# Allegro board 038RT-9068CJK8E-A100_0921.brd (continued)
## Routing (per net, layer and track width the routed paths; a pad name or vN(x,y) marks a point on that pad's centre or on a via; arc(x,y) is an arc through that point) (continued)
  BOTTOM w0.105: v2(18.46,325.96) 18.61,325.81 21.07,325.81 UNK2U17.39
S2_U4PI_P1_MDI-: length 140.7
  L13_SIGNAL w0.1: v2(18.46,325.2) 18.66,325.4 20.86,325.4 21.44,325.98 21.44,335.69 21.64,335.9 27.79,335.9 28.6,335.09 28.6,319.52 29.36,318.76 33.05,318.76 33.67,319.39 33.67,336.43 33.77,336.53 34.93,336.53 35.21,336.25 35.21,319.57 35.66,319.12 38.13,319.12 38.66,319.65 38.66,336.79 35.73,339.72 14.7,339.72 13.32,338.34 13.32,334.39 10.58,331.65 6.9,331.65 6.8,331.75 UNK2MQS1.11
  BOTTOM w0.105: v2(18.46,325.2) 18.61,325.35 21.07,325.35 UNK2U17.38
S2_U4PI_P5_MDI+: length 172.6
  L11_SIGNAL w0.1: UNK2MQS1.3 4.26,336.27 4.16,336.37 2.47,336.37 2.22,336.12 2.22,328.94 2.78,328.38 9.6,328.38 10.31,327.68 10.31,320.15 12.01,318.45 12.01,316.21 12.84,315.38 37.13,315.38 38.25,314.26 38.25,312.37 37.26,311.38 12.45,311.38 12.22,311.15 12.22,309.35 12.55,309.02 41.11,309.02 41.46,309.37 41.46,315.73 40.49,316.7 18.25,316.7 16.94,318.01 16.94,322.03 15.43,323.54 15.43,326.97 13.37,329.03 13.37,330.02 14.11,330.76 14.94,330.76 15.12,330.94 15.12,331.09 15.29,331.27 15.54,331.27 15.72,331.09 15.72,330.94 15.89,330.76 16.14,330.76 16.32,330.94 16.32,331.09 16.5,331.27 16.74,331.27 16.92,331.09 16.92,330.94 17.1,330.76 18.26,330.76 v2(18.46,330.96)
  BOTTOM w0.105: UNK2U17.49 21.07,330.81 18.61,330.81 v2(18.46,330.96)
S2_U4PI_P5_MDI-: length 172.6
  L11_SIGNAL w0.1: v2(18.46,330.2) 18.26,330.4 14.26,330.4 13.73,329.87 13.73,329.18 15.79,327.12 15.79,323.69 17.31,322.18 17.31,318.16 18.4,317.07 40.64,317.07 41.83,315.88 41.83,309.22 41.27,308.66 12.4,308.66 11.86,309.2 11.86,311.3 12.3,311.74 37.11,311.74 37.88,312.52 37.88,314.11 36.98,315.02 12.69,315.02 11.64,316.06 11.64,318.3 9.94,320 9.94,327.53 9.45,328.02 2.63,328.02 1.86,328.79 1.86,336.27 2.32,336.73 4.16,336.73 4.26,336.83 UNK2MQS1.4
  BOTTOM w0.105: UNK2U17.48 21.07,330.35 18.61,330.35 v2(18.46,330.2)
S2_U4PI_P6_MDI+: length 132.9
  L11_SIGNAL w0.1: v2(18.46,333.96) 18.66,333.76 20.82,333.76 21.43,333.15 21.43,323.23 19.31,321.11 19.31,319.86 19.6,319.57 25.37,319.57 25.74,319.94 25.74,324.21 26.28,324.75 28.53,324.75 29.05,324.23 29.05,320.24 29.73,319.57 32.49,319.57 32.76,319.84 32.76,324.71 33.19,325.13 34.22,325.13 34.64,324.72 34.64,319.8 34.87,319.57 35.77,319.57 36.11,319.91 36.11,339.1 35.91,339.3 25.51,339.3 25.21,339 25.21,336.23 24.65,335.67 21.84,335.67 21.2,336.3 21.2,339.08 20.99,339.3 16.71,339.3 16.31,338.9 16.31,332.86 15.89,332.44 9.75,332.44 9.19,333 9.19,334.02 9.61,334.44 13.76,334.44 14.04,334.71 14.04,336.17 13.84,336.37 11.51,336.37 11.34,336.19 11.34,336.04 11.16,335.86 10.91,335.86 10.74,336.04 10.74,336.19 10.56,336.37 10.31,336.37 10.13,336.19 10.13,336.04 9.96,335.86 9.71,335.86 9.53,336.04 9.53,336.19 9.36,336.37 6.9,336.37 6.8,336.27 UNK2MQS1.12
  BOTTOM w0.105: v2(18.46,333.96) 18.61,333.81 21.07,333.81 UNK2U17.55
S2_U4PI_P6_MDI-: length 132.9
  L11_SIGNAL w0.1: UNK2MQS1.13 6.8,336.83 6.9,336.73 13.99,336.73 14.4,336.32 14.4,334.56 13.91,334.07 9.76,334.07 9.55,333.87 9.55,333.15 9.9,332.8 15.74,332.8 15.95,333.01 15.95,339.05 16.56,339.66 21.14,339.66 21.56,339.24 21.56,336.45 21.99,336.03 24.5,336.03 24.85,336.38 24.85,339.15 25.36,339.67 36.06,339.67 36.47,339.25 36.47,319.76 35.92,319.2 34.72,319.2 34.27,319.65 34.27,324.57 34.07,324.77 33.34,324.77 33.13,324.55 33.13,319.69 32.64,319.2 29.58,319.2 28.69,320.09 28.69,324.08 28.38,324.38 26.43,324.38 26.11,324.06 26.11,319.79 25.52,319.2 19.45,319.2 18.95,319.71 18.95,321.26 21.07,323.38 21.07,333 20.66,333.4 18.66,333.4 v2(18.46,333.2)
  BOTTOM w0.105: UNK2U17.54 21.07,333.35 18.61,333.35 v2(18.46,333.2)
S2_U4PILB_P0_MDI+: length 223.3
  L15_SIGNAL w0.1: v2(23.71,327.96) 23.51,327.76 21.8,327.76 20.6,328.96 20.6,334.16 21.11,334.66 21.11,337.96 23.81,340.66 31.18,340.66 33.45,338.39 33.45,324.48 34.58,323.35 36.35,323.35 36.94,323.94 36.94,357.34 37.22,357.62 39.05,357.62 39.21,357.46 39.21,323.73 39.6,323.35 41.36,323.35 41.9,323.89 41.9,365.52 40.7,366.72 34.39,366.72 33.33,365.66 33.33,344.45 32.63,343.76 22.49,343.76 21.11,345.15 21.11,352.02 22.02,352.93 24.77,352.93 25.23,353.39 25.23,354.43 24.85,354.81 23.91,354.81 v2(23.71,355.01)
  BOTTOM w0.105: UNK2U17.43 21.1,327.81 23.56,327.81 v2(23.71,327.96) ; UNK2U18.59 21.1,354.86 23.56,354.86 v2(23.71,355.01)
S2_U4PILB_P0_MDI-: length 223.3
  L15_SIGNAL w0.1: v2(23.71,327.2) 23.51,327.4 21.65,327.4 20.24,328.81 20.24,334.31 20.74,334.81 20.74,338.11 23.66,341.03 31.33,341.03 33.81,338.54 33.81,324.63 34.73,323.71 36.2,323.71 36.58,324.09 36.58,357.49 37.07,357.98 39.2,357.98 39.58,357.61 39.58,323.88 39.75,323.71 41.21,323.71 41.54,324.04 41.54,365.37 40.54,366.36 34.54,366.36 33.69,365.51 33.69,344.3 32.79,343.4 22.34,343.4 20.74,345 20.74,352.17 21.87,353.29 24.62,353.29 24.87,353.54 24.87,354.28 24.7,354.45 23.91,354.45 v2(23.71,354.25)
  BOTTOM w0.105: UNK2U17.42 21.1,327.35 23.56,327.35 v2(23.71,327.2) ; v2(23.71,354.25) 23.56,354.4 21.1,354.4 UNK2U18.58
S2_U4PILB_P1_MDI+: length 185.7
  L17_SIGNAL w0.1: v2(23.71,324.96) 23.91,324.76 24.16,324.76 24.26,324.86 24.26,325.46 23.78,325.95 21.84,325.95 21.11,326.68 21.11,339.15 20.26,340.01 16.5,340.01 15.74,339.25 15.74,320.59 16.81,319.51 30.09,319.51 30.96,318.64 30.96,317.22 30.24,316.5 13.13,316.5 11.99,317.64 11.99,362.59 12.49,363.09 17.16,363.09 17.68,362.57 17.68,361.33 17.12,360.77 14.81,360.77 14.23,360.2 14.23,344.62 14.67,344.18 15.62,344.18 15.93,344.49 15.93,357.63 16.68,358.38 20.54,358.38 21.41,357.51 21.41,352.12 21.72,351.81 23.51,351.81 v2(23.71,352.01)
  BOTTOM w0.105: UNK2U18.53 21.1,351.86 23.56,351.86 v2(23.71,352.01) ; UNK2U17.37 21.1,324.81 23.56,324.81 v2(23.71,324.96)
S2_U4PILB_P1_MDI-: length 185.7
  L17_SIGNAL w0.1: v2(23.71,324.2) 23.91,324.4 24.31,324.4 24.62,324.71 24.62,325.61 23.93,326.31 22,326.31 21.48,326.83 21.48,339.3 20.41,340.37 16.35,340.37 15.38,339.4 15.38,320.44 16.66,319.15 29.94,319.15 30.6,318.49 30.6,317.37 30.09,316.87 13.28,316.87 12.36,317.79 12.36,362.44 12.64,362.73 17.01,362.73 17.32,362.42 17.32,361.48 16.97,361.14 14.66,361.14 13.87,360.35 13.87,344.47 14.52,343.81 15.77,343.81 16.3,344.34 16.3,357.48 16.83,358.01 20.39,358.01 21.05,357.36 21.05,351.97 21.57,351.45 23.51,351.45 v2(23.71,351.25)
  BOTTOM w0.105: UNK2U18.52 21.1,351.4 23.56,351.4 v2(23.71,351.25) ; UNK2U17.36 21.1,324.35 23.56,324.35 v2(23.71,324.2)
S2_U4PILB_P5_MDI+: length 220.5
  L15_SIGNAL w0.1: v2(24.85,349.7) 25.05,349.5 26.04,349.5 26.73,348.81 28.32,348.81 28.77,349.26 28.77,361.96 28.57,362.16 26.1,362.16 25.9,361.95 25.9,358.64 25.27,358.01 18.61,358.01 17.71,358.91 17.71,363.42 18.92,364.63 30.55,364.63 30.79,364.86 30.79,366.48 30.37,366.89 18.6,366.89 17.71,367.78 17.71,370.63 18.92,371.83 43.34,371.83 44.86,370.31 44.86,319.16 43.97,318.28 23.68,318.28 22.8,319.16 22.8,320.68 23.33,321.21 28.1,321.21 28.54,321.65 28.54,338.48 27.93,339.1 26.61,339.1 26.26,338.75 26.26,335.07 25.5,334.31 23.46,334.31 23.04,333.89 22.26,333.89 21.97,333.61 21.97,331.14 22.66,330.45 24.65,330.45 v2(24.85,330.65)
  BOTTOM w0.105: v2(24.85,330.65) 24.7,330.5 22.68,330.5 21.99,329.81 21.1,329.81 UNK2U17.47 ; UNK2U18.47 21.1,348.86 21.99,348.86 22.68,349.55 24.7,349.55 v2(24.85,349.7)
S2_U4PILB_P5_MDI-: length 220.5
  L15_SIGNAL w0.1: v2(24.85,329.89) 24.65,330.09 22.51,330.09 21.61,330.99 21.61,333.76 22.11,334.26 22.89,334.26 23.31,334.68 25.35,334.68 25.9,335.23 25.9,338.9 26.46,339.46 28.08,339.46 28.91,338.63 28.91,321.5 28.25,320.85 23.48,320.85 23.16,320.53 23.16,319.31 23.83,318.65 43.82,318.65 44.49,319.31 44.49,370.16 43.18,371.47 19.07,371.47 18.08,370.48 18.08,367.93 18.75,367.25 30.52,367.25 31.15,366.63 31.15,364.71 30.7,364.27 19.07,364.27 18.08,363.27 18.08,359.06 18.76,358.37 25.12,358.37 25.53,358.79 25.53,362.1 25.95,362.52 28.72,362.52 29.14,362.11 29.14,349.11 28.47,348.45 26.58,348.45 25.89,349.14 25.05,349.14 v2(24.85,348.94)
  BOTTOM w0.105: v2(24.85,329.89) 24.7,330.03 22.87,330.03 22.18,329.35 21.1,329.35 UNK2U17.46 ; UNK2U18.46 21.1,348.4 22.18,348.4 22.87,349.08 24.7,349.08 v2(24.85,348.94)
S2_U4PILB_P6_MDI+: length 156.2
  L17_SIGNAL w0.1: v2(23.71,347.01) 23.51,346.81 21,346.81 20.64,346.45 20.64,344.47 20.99,344.12 25.03,344.12 25.72,343.43 28.39,343.43 29.08,344.12 29.08,361.32 29.6,361.83 33.26,361.83 33.69,361.41 33.69,348.21 34.27,347.62 35.88,347.62 36.47,348.22 36.47,361.51 36.79,361.83 38.96,361.83 39.48,361.31 39.48,322.06 38.76,321.34 34.52,321.34 33.98,321.88 33.98,339.46 32.96,340.48 25.26,340.48 24.79,340.01 24.79,332.86 24.69,332.76 23.91,332.76 v2(23.71,332.96)
  BOTTOM w0.105: v2(23.71,332.96) 23.56,332.81 21.1,332.81 UNK2U17.53 ; UNK2U18.43 21.1,346.86 23.56,346.86 v2(23.71,347.01)
S2_U4PILB_P6_MDI-: length 156.2
  L17_SIGNAL w0.1: v2(23.71,332.2) 23.91,332.4 24.84,332.4 25.16,332.71 25.16,339.86 25.41,340.12 32.81,340.12 33.62,339.3 33.62,321.73 34.37,320.97 38.91,320.97 39.84,321.91 39.84,361.46 39.11,362.19 36.64,362.19 36.11,361.66 36.11,348.37 35.73,347.99 34.43,347.99 34.05,348.36 34.05,361.56 33.41,362.19 29.45,362.19 28.72,361.47 28.72,344.27 28.24,343.79 25.87,343.79 25.18,344.48 21.15,344.48 21,344.62 21,346.3 21.15,346.45 23.51,346.45 v2(23.71,346.25)
  BOTTOM w0.105: v2(23.71,346.25) 23.56,346.4 21.1,346.4 UNK2U18.42 ; v2(23.71,332.2) 23.56,332.35 21.1,332.35 UNK2U17.52
S2_U6_VDD: length 21.7
  BOTTOM w0.115: UNK2C173.1 29.07,141.93 v2(29.07,142.24) UNK2R137.1
  BOTTOM w0.305: UNK2U6.16 30.46,168.02 v2(30.14,168.35) ; UNK2U6.15 30.58,167.52 v2(30.14,167.08) ; UNK2U6.33 38.04,176.03 v2(37.79,176.28) ; UNK2U6.56 40.17,164.52 v2(40.68,164.02) ; UNK2U6.20 v2(30.14,170.02) ; v2(30.14,173.17) 30.29,173.02 UNK2U6.26 ; v2(30.14,171.9) 30.26,172.02 UNK2U6.24 ; UNK2U6.11 v2(30.14,165.52) ; UNK2U6.2 v2(33.04,161.02) ; UNK2U6.31 30.2,175.52 v2(30.14,175.59) ; UNK2U6.8 v2(30.14,164.02) ; v2(40.68,172.22) 40.37,172.52 UNK2U6.40 ; UNK2U6.64 v2(37.79,160.52)
  vias: v2(29.07,140.97) v2(29.07,139.7) v2(29.07,138.43)
S2_U17_VDD: length 35.4
  BOTTOM w0.305: UNK2U17.31 27.32,323.33 v2(27.32,323.33) ; UNK2U18.26 27.32,344.88 v2(27.32,344.88) ; UNK2U17.24 30.27,326.83 v2(30.27,326.83) ; v2(30.27,347.88) 30.27,347.88 UNK2U18.20 ; v2(19.61,345.38) 19.61,345.38 UNK2U18.40 ; v2(30.27,350.52) 30.13,350.38 UNK2U18.15 ; v2(30.27,328.83) 30.27,328.83 UNK2U17.20 ; UNK2U17.56 19.61,334.33 v2(19.61,334.33) ; UNK2U17.11 30.27,333.33 v2(30.27,333.33) ; v2(27.35,337.95) 27.47,337.83 UNK2U17.2 ; UNK2U17.40 19.61,326.33 v2(19.61,326.33) ; v2(27.48,349.76) 27.6,349.88 UNK2U18.16 ; UNK2U18.31 27.32,342.38 v2(27.32,342.38) ; v2(27.48,330.71) 27.6,330.83 UNK2U17.16 ; UNK2U18.24 30.27,345.88 v2(30.27,345.88) ; v2(22.56,341.88) 22.56,341.88 UNK2U18.33 ; v2(30.27,331.47) 30.13,331.33 UNK2U17.15 ; v2(27.32,334.83) 27.32,334.83 UNK2U17.8 ; UNK2U17.26 27.32,325.83 v2(27.32,325.83) ; UNK2U18.2 27.47,356.88 v2(27.35,357) ; UNK2U18.11 30.27,352.38 v2(30.27,352.38) ; v2(27.32,353.88) 27.32,353.88 UNK2U18.8 ; UNK2U18.56 19.61,353.38 v2(19.61,353.38) ; UNK2U17.64 19.61,338.33 v2(19.61,338.33)
  vias: v2(20.49,359.47) v2(20.49,320.74) v2(21.76,359.47) v2(21.76,320.74) v2(23.03,359.47) v2(24.3,359.47)
S2_VBAT:
  vias: v1(282.9,268.62) v2(37.21,417.04) v2(37.21,414.5) v2(37.21,411.96) v2(37.21,409.42) v2(37.21,406.88) v2(37.21,404.34) v2(37.21,401.8) v2(39.75,417.04) v2(39.75,414.5) v2(39.75,411.96) v2(39.75,409.42) v2(39.75,406.88) v2(39.75,404.34) v2(39.75,401.8) v2(42.29,417.04) v2(42.29,414.5) v2(42.29,411.96) v2(42.29,409.42) v2(42.29,406.88) v2(42.29,404.34) v2(42.29,401.8) v2(125.28,421.73) v2(125.67,436.63) v2(125.67,435.36) v2(125.67,434.09) v2(125.67,430.28) v2(125.67,427.1) v2(125.67,425.83) v2(125.67,424.56)
S2_VO09: length 427.3
  TOP w0.115: S2_VO09.1 327.04,415.94 v2(327.04,417.44)
  L19_SIGNAL w0.102: v1(280.5,268.62) 280.1,268.22 277.01,268.22 276.81,268.43 ; 291.98,258.6 292.92,259.54 ; 277.05,273.84 276.81,273.6
  L19_SIGNAL w0.105: 291.98,258.6 289.02,255.65 282.26,255.65 282.08,255.46 265.55,255.46 260.39,260.62 241.95,260.62 238.85,263.72 238.85,280.05 236.63,282.27 232.82,282.27 v1(232.21,282.88) 232.21,297.82 259.75,325.37 259.75,345.33 263.92,349.5 273.07,349.5 273.71,348.86 275.36,348.86 276.14,349.64 292.15,349.64 304.34,361.83 304.34,396.01 v2(325.77,417.44) 323.23,417.44 303.05,397.26 303.05,365.02 289.39,351.36 276.77,351.36 275.33,352.8 275.33,358.46 SLOT0-UP.E17 ; 276.81,273.6 276.31,273.1 276.31,268.92 276.81,268.43 ; 277.05,273.84 279.56,276.35 294.32,276.35 296.46,274.21 296.46,263.08 292.92,259.54
  vias: v1(232.21,281.61) v1(233.48,282.88) v1(233.48,281.61) v1(234.75,282.88) v1(234.75,281.61) v1(236.02,282.88) v1(236.02,281.61) v2(325.77,419.98) v2(325.77,418.71) v2(327.04,419.98) v2(327.04,418.71) v2(328.31,419.98) v2(328.31,418.71) v2(328.31,417.44)
S2_VSENSE:
  vias: v1(280.5,269.42)
S2_WAKE:
  vias: v1(280.5,266.22)
S2_WP: length 25.9
  L03_SIGNAL w0.102: 292.92,265.82 290.5,265.82 v1(290.1,266.22)
  L03_SIGNAL w0.145: 292.92,265.82 295.21,265.82 295.68,266.3 307.27,266.3 307.68,265.89 314.6,265.89 v1(315.24,266.53)
S3_1_CKXTAL1: length 3.8
  BOTTOM w0.115: UNK3K34.5 UNK3C169.2 439.71,271.63 UNK3Y7.3
S3_1_CKXTAL2: length 6.3
  BOTTOM w0.115: UNK3Y7.1 441.71,274.69 440.68,275.72 440.12,275.72 439.24,274.83 UNK3C168.2 UNK3K34.4
S3_1_INH: length 9
  BOTTOM w1.016: UNK3R362.1 565.18,423.42 567.13,425.36 567.13,427.59 UNK3K6.4
S3_1_NGATE: length 10.6
  BOTTOM w0.61: UNK3K11.8 364.9,280.66 361.47,280.66 360.52,281.61 UNK3CMOS1.2
S3_1_P6_HSI+: length 19.9
  L46_SIGNAL w0.185: 450.15,252.33 452.04,252.33 452.51,251.87 455.96,251.87 458.68,254.58 460.84,254.58
  L46_SIGNAL w0.2: v3(460.95,254.7) 460.84,254.58 ; 450.15,252.33 v3(450.04,252.45)
  BOTTOM w0.14: v3(460.95,254.7) 461.09,254.56 465.63,254.56 UNK3K214.12 ; v3(450.04,252.45) 449.9,252.31 449.09,252.31 448.84,252.56 447.51,252.56 UNK3K213.31
S3_1_P6_HSI-: length 19.9
  L46_SIGNAL w0.185: 460.84,254.15 458.86,254.15 456.14,251.43 452.32,251.43 451.86,251.9 450.15,251.9
  L46_SIGNAL w0.2: v3(460.95,254.04) 460.84,254.15 ; 450.15,251.9 v3(450.04,251.79)
  BOTTOM w0.14: UNK3K214.11 465.63,254.17 461.09,254.17 v3(460.95,254.04) ; v3(450.04,251.79) 449.9,251.92 448.93,251.92 448.68,252.17 447.51,252.17 UNK3K213.32
S3_1_P6_HSO+: length 124
  BOTTOM w0.14: UNK3K213.34 447.51,251.17 448.55,251.17 449.8,249.92 454.32,249.92 464.06,240.18 475.08,240.18 480.33,245.43 480.33,251.16 483.91,254.74 534.83,254.74 548.96,268.87 551.53,268.87 UNK3K217.11
S3_1_P6_HSO-: length 124
  BOTTOM w0.14: UNK3K213.33 447.51,251.56 448.72,251.56 449.97,250.31 454.48,250.31 464.23,240.57 474.92,240.57 479.94,245.59 479.94,251.32 483.75,255.13 534.67,255.13 548.8,269.26 551.53,269.26 UNK3K217.12
S3_1_P7_HSI+: length 22.1
  BOTTOM w0.14: UNK3K213.22 447.51,257.06 448.16,257.06 448.43,257.33 448.43,259.31 449.19,260.06 454.54,260.06 458.04,256.56 465.63,256.56 UNK3K214.16
S3_1_P7_HSI-: length 22.1
  BOTTOM w0.14: UNK3K214.15 465.63,256.17 457.88,256.17 454.38,259.67 449.35,259.67 448.82,259.14 448.82,257.17 448.32,256.67 447.51,256.67 UNK3K213.23
S3_1_P7_HSO+: length 128.5
  BOTTOM w0.14: UNK3K217.15 551.53,270.87 545.92,270.87 532.49,257.44 482.26,257.44 476.65,251.83 476.65,245.16 474.86,243.37 464.37,243.37 456.47,251.27 456.47,254.69 453.16,258 450.86,258 448.54,255.67 447.51,255.67 UNK3K213.25
S3_1_P7_HSO-: length 128.5
  BOTTOM w0.14: UNK3K213.24 447.51,256.06 448.38,256.06 450.7,258.39 453.32,258.39 456.86,254.85 456.86,251.43 464.54,243.76 474.7,243.76 476.26,245.32 476.26,251.99 482.1,257.83 532.33,257.83 545.76,271.26 551.53,271.26 UNK3K217.16
S3_1_PGATE: length 13.8
  BOTTOM w0.61: UNK3K11.5 361.73,277.55 357.98,281.3 UNK3CMOS1.4
S3_1_WAKE:
  vias: v2(531.05,430.97)
S3_2_GPIOA1: length 1.8
  BOTTOM w0.115: UNK3K124.3 UNK3R328.2
S3_2_GPIOA2: length 1.8
  BOTTOM w0.115: UNK3K124.6 UNK3R327.2
S3_AVDD09: length 14.2
  TOP w0.508: v1(399.98,250.97) 399.79,250.78 399.79,247.86 400.93,246.72 400.93,240.52 399.89,239.48 S3_AVDD09.1
  vias: v1(399.98,251.6) v1(400.5,270.22) v1(400.5,259.82) v1(401.3,270.22) v1(401.3,259.82) v1(402.9,260.62) v1(403.7,273.42) v1(403.7,271.02) v1(403.7,259.82) v1(404.5,259.82) v1(405.3,259.82) v1(406.1,259.82) v1(406.9,269.42) v1(406.9,260.62) v1(407.7,269.42) v1(407.7,261.42) v1(408.5,261.42) v1(409.3,271.82) v1(409.3,271.02) v1(409.3,270.22) v1(410.1,271.02) v1(410.1,270.22)
S3_AVDD09_VO09: length 6.7
  TOP w3.048: UNK3K4.8 508.89,423.21 UNK3RD21.1
S3_AVDD33: length 19.2
  TOP w0.508: v1(393.96,261.85) 392.25,260.14 379.69,260.14 379.5,259.95 S3_AVDD33.1
  vias: v1(394.6,261.85) v1(400.5,271.82) v1(400.5,271.02) v1(401.3,271.02) v1(401.3,268.62) v1(402.1,271.02) v1(402.1,270.22) v1(402.9,271.02) v1(402.9,270.22) v1(403.7,269.42) v1(404.5,261.42) v1(405.3,261.42) v1(406.1,270.22) v1(406.9,272.62) v1(407.7,272.62) v1(408.5,272.62) v1(409.3,269.42) v1(409.3,268.62) v1(409.3,261.42) v1(410.1,269.42) v1(410.1,268.62) v1(410.1,261.42) v1(410.1,259.82) v1(410.9,272.62) v1(411.7,272.62)
S3_AVDD33_MOSFET: length 17.6
  L15_SIGNAL w0.102: 397.8,267.42 400.9,267.42 v1(401.3,267.02)
  L15_SIGNAL w0.203: 397.8,267.42 397.53,267.69 392.2,267.69 389.34,270.55 388.47,270.55 388.16,270.23 388.16,269.19 388.49,268.86 v2(388.97,268.86)
  BOTTOM w0.203: UNK3ST5.1 v2(388.97,268.86)
  vias: v1(359.25,285.29) v1(359.25,284.66) v1(359.25,284.02) v1(359.25,283.39) v1(359.25,282.75) v1(359.25,282.12) v1(392.88,270.44) v1(392.88,269.81) v1(392.88,269.17) v1(393.51,270.44) v1(393.51,269.81) v1(393.51,269.17)
S3_CHR_FE_MDI+: length 4
  TOP w0.105: UNK3R130.1 639.91,358.18 639.91,360.34 639.78,360.47 UNK3K58.4
S3_CHR_FE_MDI-: length 4
  TOP w0.105: UNK3R130.2 640.38,358.18 640.38,360.34 640.51,360.47 UNK3K58.5
S3_CHR_FE_MDIX+: length 4
  TOP w0.105: UNK3R126.1 632.87,358.18 632.87,360.34 632.73,360.47 UNK3K54.4
S3_CHR_FE_MDIX-: length 4
  TOP w0.105: UNK3R126.2 633.33,358.18 633.33,360.34 633.47,360.47 UNK3K54.5
S3_CKXTAL1: length 29.2
  TOP w0.115: SITE3.A13 407.7,274.23 408.1,274.63 425.09,274.63 426.6,273.12 433.19,273.12 UNK3K34.6
S3_CKXTAL2: length 30.3
  TOP w0.115: SITE3.A12 406.9,275.26 407.54,275.9 433.61,275.9 UNK3K34.3
S3_DCH_AT+: length 136.8
  L05_SIGNAL w0.1: 409.03,273.84 409.13,273.94 409.13,275.59 408.16,276.56 384.08,276.56 383.04,275.51 344.99,275.51 339.66,270.18 337.75,270.18 333.69,266.12 333.69,224.79 331.38,222.49 331.38,222.32 331.53,222.18 331.53,222.01 331.41,221.89 331.24,221.89 331.1,222.04 330.94,222.04 330.82,221.92 330.82,221.75 330.96,221.61 330.96,221.44 330.84,221.33 330.68,221.33 330.53,221.47 330.37,221.47 330.25,221.35 330.25,221.19 330.39,221.04 330.39,220.88 330.28,220.76 330.11,220.76 329.97,220.9 329.8,220.9 329.3,220.4 329.3,218.79 329.4,218.69 329.84,218.69 329.94,218.79 v1(329.94,219.48)
  L05_SIGNAL w0.102: v1(409.3,272.62) 408.9,273.02 408.9,273.71 409.03,273.84
  BOTTOM w0.115: v1(329.94,219.48) MUX15.5
S3_DCH_AT-: length 136.8
  L05_SIGNAL w0.1: v1(329.94,217.53) 329.94,218.22 329.84,218.32 329.25,218.32 328.94,218.64 328.94,220.55 333.33,224.94 333.33,266.27 337.6,270.54 339.51,270.54 344.84,275.88 382.89,275.88 383.93,276.92 408.31,276.92 409.49,275.74 409.49,273.94 409.59,273.84
  L05_SIGNAL w0.102: 409.59,273.84 409.7,273.73 409.7,273.02 v1(410.1,272.62)
  BOTTOM w0.115: v1(329.94,217.53) MUX15.8
S3_DCH_P4_HSI+: length 273.1
  L38_SIGNAL w0.1: v1(558.53,248.99) 558.38,248.84 557.61,248.84 557.18,248.41 557.18,247.14 557.66,246.66 559.65,246.66 560.69,247.7 560.69,252.66 559.75,253.59 552.04,253.59 551.39,252.94 547.69,252.94 544.07,249.33 527.28,249.33 524.28,246.33 524.28,239.94 522.81,238.47 477.15,238.47 476.15,237.47 378.23,237.47 376.49,239.21 364.95,239.21 346.79,257.37 346.79,274.15 345.09,275.84 341.8,275.84 341.7,275.94 v1(341.7,276.63)
  BOTTOM w0.105: v1(558.53,248.99) 558.43,248.89 558.18,248.89 557.92,249.16 557.92,249.64 557.42,250.14 555.59,250.14 UNK3K184.33
  BOTTOM w0.115: v1(341.7,276.63) MUX1.5
S3_DCH_P4_HSI-: length 273.1
  L38_SIGNAL w0.1: v1(558.53,248.33) 558.38,248.48 557.76,248.48 557.54,248.26 557.54,247.29 557.81,247.03 559.5,247.03 560.32,247.85 560.32,252.51 559.6,253.23 558.36,253.23 558.24,253.11 558.24,252.91 558.12,252.79 557.96,252.79 557.84,252.91 557.84,253.11 557.72,253.23 557.56,253.23 557.44,253.11 557.44,252.91 557.32,252.79 557.16,252.79 557.04,252.91 557.04,253.11 556.92,253.23 556.76,253.23 556.64,253.11 556.64,252.91 556.52,252.79 556.36,252.79 556.24,252.91 556.24,253.11 556.12,253.23 555.96,253.23 555.84,253.11 555.84,252.91 555.72,252.79 555.56,252.79 555.44,252.91 555.44,253.11 555.32,253.23 552.2,253.23 551.54,252.58 547.84,252.58 544.22,248.97 527.43,248.97 524.64,246.18 524.64,239.79 522.96,238.1 477.3,238.1 476.3,237.11 378.08,237.11 376.34,238.84 364.8,238.84 346.42,257.22 346.42,273.99 344.94,275.47 341.8,275.47 341.7,275.37 v1(341.7,274.68)
  BOTTOM w0.105: UNK3K184.34 555.59,249.68 557.22,249.68 557.45,249.45 557.45,248.97 557.99,248.43 558.43,248.43 v1(558.53,248.33)
  BOTTOM w0.115: v1(341.7,274.68) MUX1.8
S3_DCH_P4_HSO+: length 274.3
  L38_SIGNAL w0.1: v1(558.53,250.99) 558.38,250.84 557.19,250.84 552.06,245.71 531.32,245.71 527.67,242.07 527.67,237.14 525.41,234.88 354.33,234.88 345.88,226.43 342.28,226.43 340.47,224.62 340.47,198.88 339.47,197.88 334.09,197.88 332.04,195.83 330.04,195.83 329.94,195.93 v1(329.94,196.62)
  BOTTOM w0.105: UNK3K184.31 555.59,251.14 557.86,251.14 558.11,250.89 558.43,250.89 v1(558.53,250.99)
  BOTTOM w0.115: v1(329.94,196.62) MUX2.5
S3_DCH_P4_HSO-: length 274.3
  L38_SIGNAL w0.1: v1(558.53,250.33) 558.38,250.48 557.34,250.48 552.21,245.35 531.47,245.35 528.04,241.91 528.04,236.99 525.56,234.52 354.48,234.52 346.03,226.06 342.43,226.06 340.84,224.47 340.84,198.73 339.62,197.51 334.24,197.51 332.19,195.46 330.04,195.46 329.94,195.36 v1(329.94,194.67)
  BOTTOM w0.105: UNK3K184.32 555.59,250.68 557.67,250.68 557.92,250.43 558.43,250.43 v1(558.53,250.33)
  BOTTOM w0.115: v1(329.94,194.67) MUX2.8
S3_DCH_P5_HSI+: length 270
  L38_SIGNAL w0.1: v1(330.32,276.63) 330.32,275.94 330.42,275.84 331.66,275.84 337.03,281.21 342.29,281.21 343.39,280.1 345.92,280.1 351.17,274.86 353.37,274.86 354.09,274.13 354.09,272.46 354.63,271.92 356.52,271.92 357.17,271.27 357.17,262.38 379.71,239.84 472.41,239.84 480.68,248.11 521.83,248.11 533.43,259.71 555.09,259.71 556.94,257.86 558.38,257.86 v1(558.53,258.01)
  BOTTOM w0.105: v1(558.53,258.01) 558.43,257.91 557.89,257.91 557.29,257.31 557.29,255.54 556.4,254.64 555.59,254.64 UNK3K184.24
  BOTTOM w0.115: v1(330.32,276.63) MUX3.5
S3_DCH_P5_HSI-: length 270
  L38_SIGNAL w0.1: v1(558.53,257.35) 558.38,257.5 556.79,257.5 554.94,259.35 533.59,259.35 521.98,247.74 480.83,247.74 472.56,239.48 379.56,239.48 356.81,262.23 356.81,271.12 356.37,271.56 354.48,271.56 353.73,272.31 353.73,273.98 353.22,274.49 351.02,274.49 345.77,279.74 343.24,279.74 342.14,280.84 337.18,280.84 331.81,275.47 330.42,275.47 330.32,275.37 v1(330.32,274.68)
  BOTTOM w0.105: v1(558.53,257.35) 558.43,257.45 558.08,257.45 557.75,257.12 557.75,255.35 556.59,254.18 555.59,254.18 UNK3K184.25
  BOTTOM w0.115: v1(330.32,274.68) MUX3.8
S3_DCH_P5_HSO+: length 259
  L40_SIGNAL w0.1: v1(558.53,260.01) 558.38,259.86 548.86,259.86 532.73,243.73 528.09,243.73 519.4,235.05 479.15,235.05 477.57,233.47 346.85,233.47 340.74,239.58 340.74,246.06 339.83,246.96 336.75,246.96 331.33,241.55 330.37,241.55 330.27,241.65 v1(330.27,242.34)
  BOTTOM w0.105: v1(558.53,260.01) 558.43,259.91 557.69,259.91 556.28,258.51 556.28,255.83 556.1,255.64 555.59,255.64 UNK3K184.22
  BOTTOM w0.115: v1(330.27,242.34) MUX4.5
S3_DCH_P5_HSO-: length 259
  L40_SIGNAL w0.1: v1(558.53,259.35) 558.38,259.5 549.01,259.5 532.88,243.37 528.24,243.37 519.55,234.68 479.3,234.68 477.72,233.1 346.7,233.1 340.37,239.43 340.37,245.91 339.68,246.6 336.9,246.6 331.48,241.18 330.37,241.18 330.27,241.08 v1(330.27,240.39)
  BOTTOM w0.105: v1(558.53,259.35) 558.43,259.45 557.88,259.45 556.75,258.31 556.75,255.64 556.29,255.18 555.59,255.18 UNK3K184.23
  BOTTOM w0.115: v1(330.27,240.39) MUX4.8
S3_DCH_P6_CLKREQB: length 309.2
  L09_SIGNAL w0.102: 455.1,431.21 456.91,431.21 457.25,431.55 464.94,431.55 466.03,430.45
  L09_SIGNAL w0.105: 466.03,430.45 467.48,429.01 479.22,429.01 484.54,423.69 492.62,423.69 493.44,422.86 493.44,419.3 UNK3K211.4 ; v1(330.27,265.2) 330.08,265.39 330.08,268.34 332.62,270.88 332.62,286.76 362.73,316.87 388.13,316.87 406.99,335.72 406.99,414.59 405.65,415.93 405.65,426.2 408.45,429.01 420.25,429.01 422.16,430.91 438.9,430.91 439.79,430.02 444.49,430.02 445.38,430.91 454.81,430.91 455.1,431.21
  BOTTOM w0.115: v1(330.27,265.2) MUX11.5
